# Altium PCB 191230 PCB.PcbDoc (part 2 of 2)
Units mil, origin at the board's own origin, x right, y up, seen from the top; angles counter-clockwise.
Board outline 5523.73 x 4025.78 mil, 4 copper layers (Top Layer, Int1 (GND), Int2 (PWR), Bottom Layer), stack 53.912 mil thick; 197 components, 119 nets, 656 pads, 176 vias.
Unrouted connection lines stored in the file: 188.
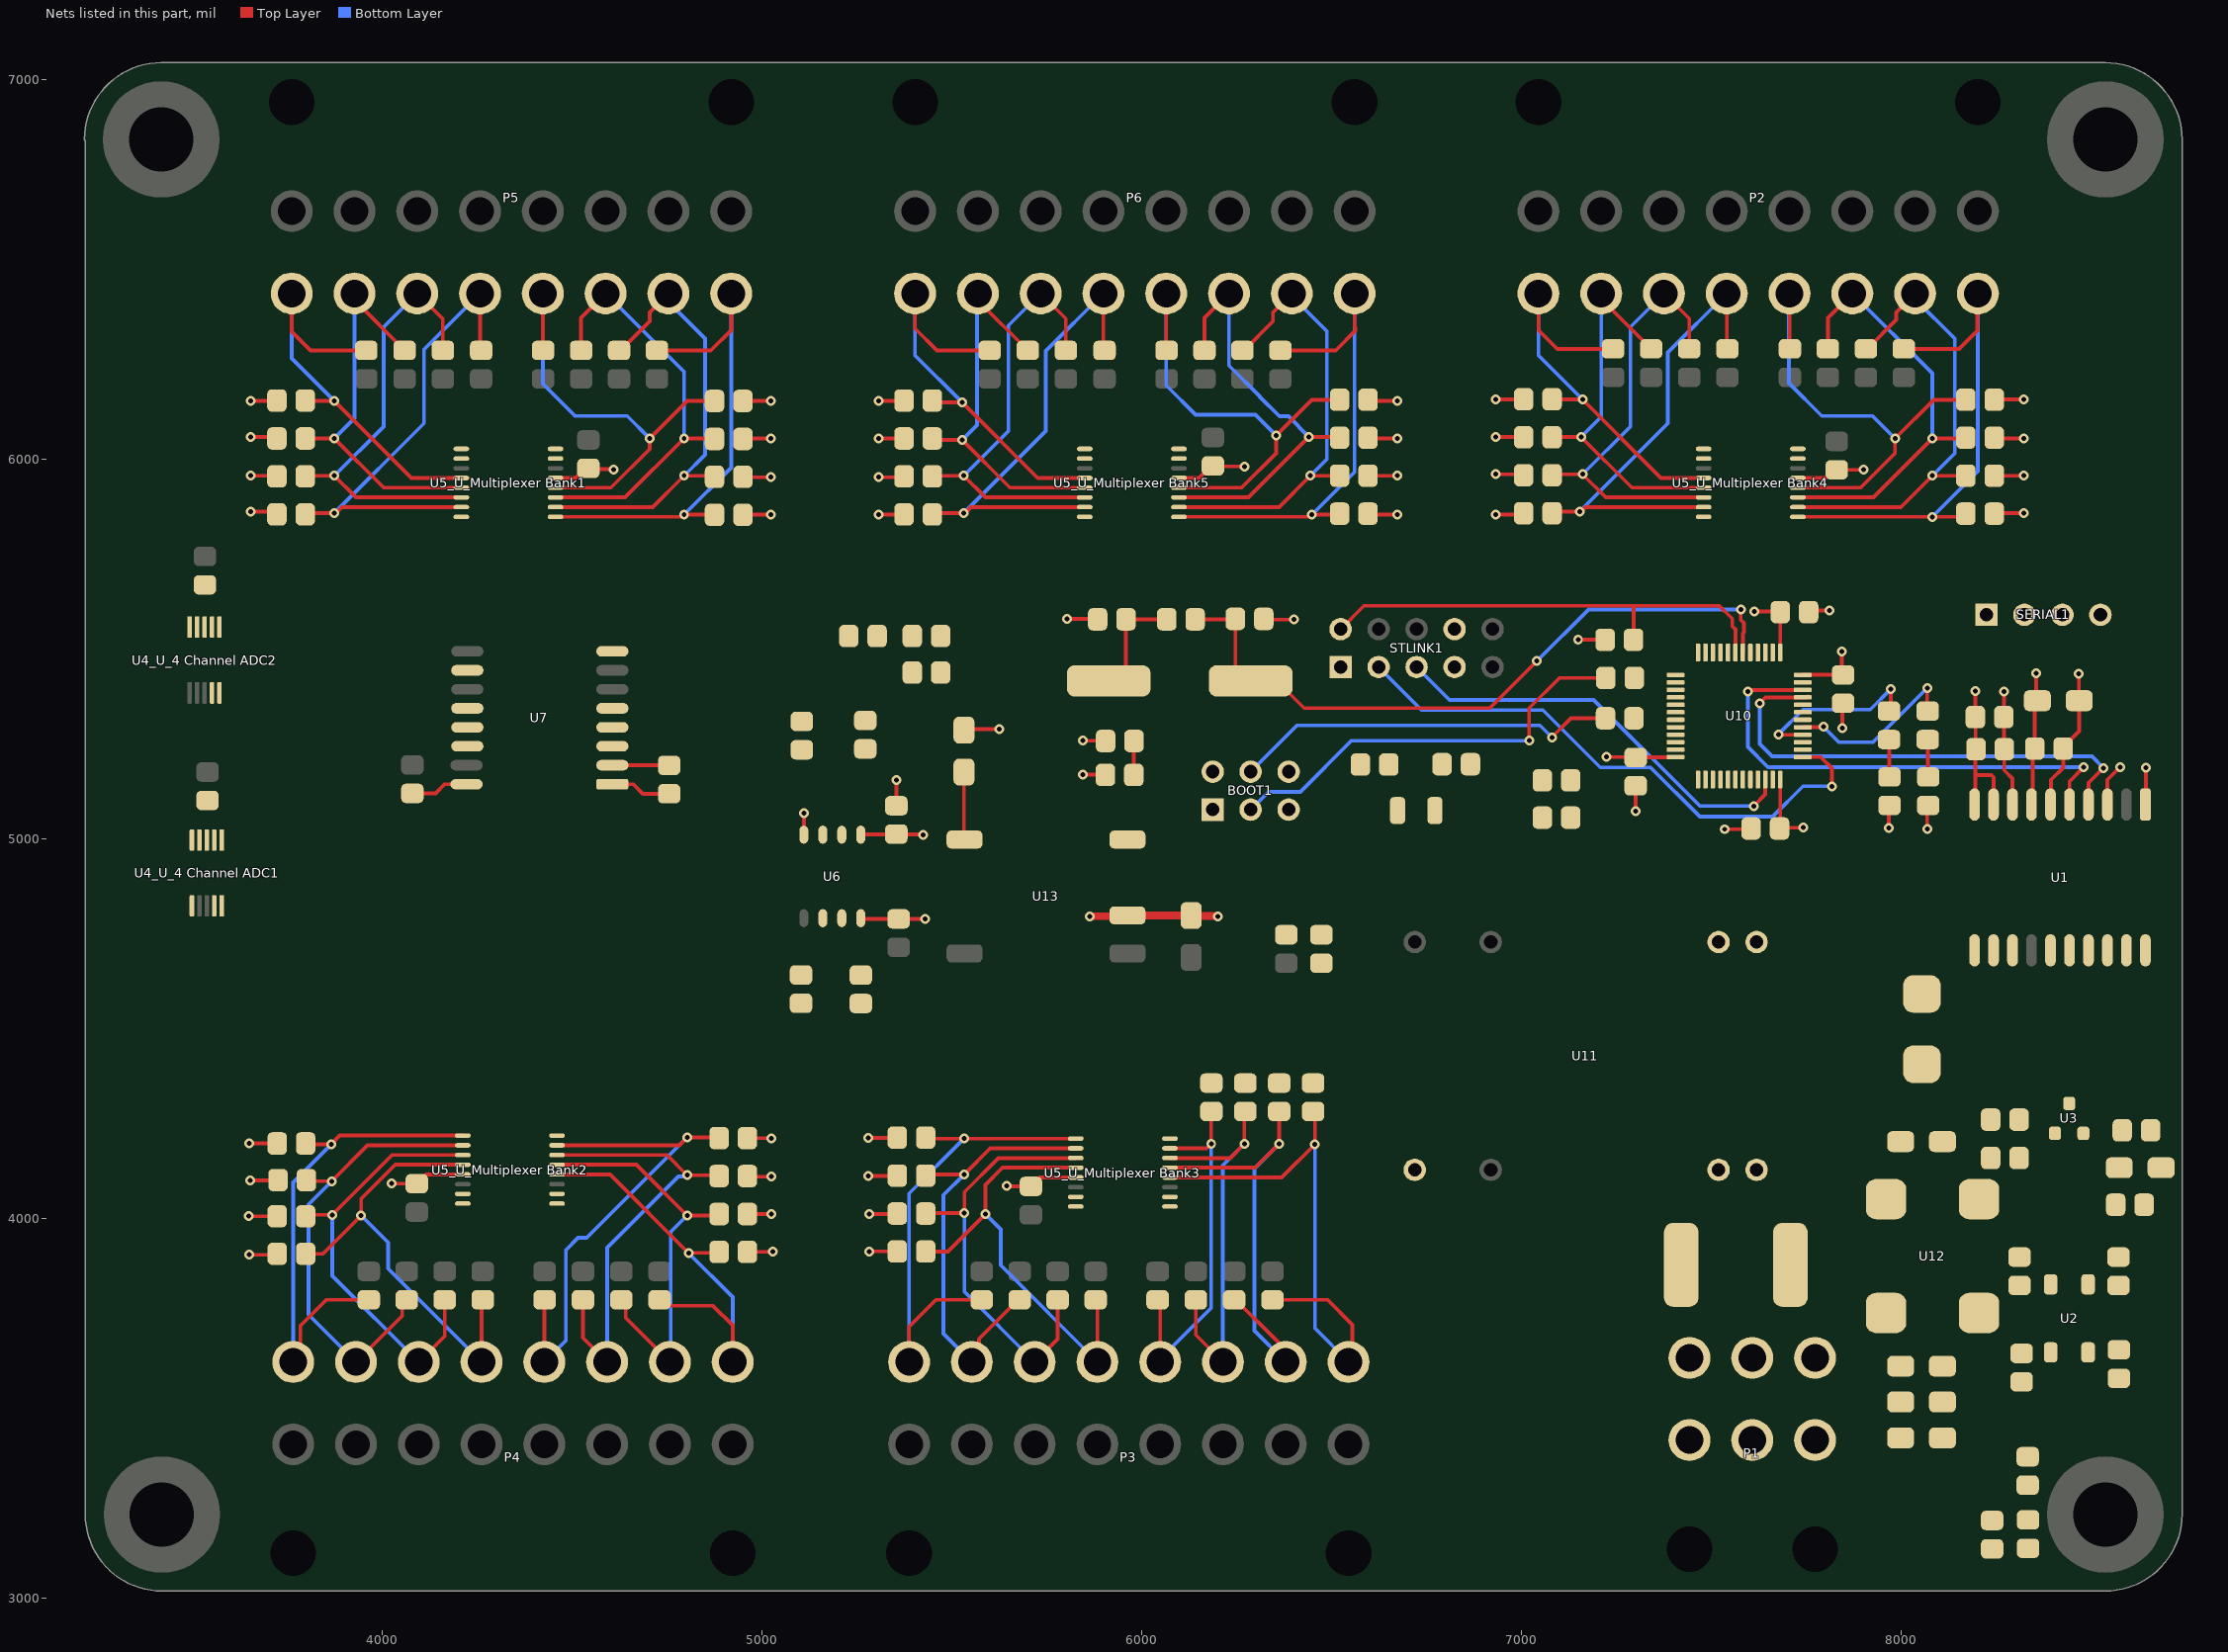
[diagram p4: the nets of this part, all layers, seen from the top]

## Via types
v1: diameter 26, hole 13, Top Layer to Bottom Layer, 176 vias

## Nets (pads, with @x,y where several pads share a name; then routed paths per layer and width w, separated by ;. In a path a pad name is that pad's centre, name@x,y a point inside that pad or via, vN(x,y) a via of type N, cw(c..) or ccw(c..) an arc to the next point about the centre after c; other vN are vias at no path point) (continued)
"0V (ISO)": "0V ISO TP.1" BOOT1.5 BOOT1.6 C1.1 C2.1 C7.1 C8.1 C20.1 C22.1 C23.1 C24.1 C25.1 C26.1 C27.1 C28.1 C29.1 C30.1 C34.1 C41.1 R26.1 R28.1 R31.1 R32.1 SERIAL1.4 STLINK1.1 U1.1 U1.3 U1.7 U1.9 U1.10 U6.4 U7.2 U7.8 U10.8 U10.23 U10.35 U10.47 U13.4 | length 1964
  Top Layer w10: U7.2@4606.39,5194.09 4606.49,5194 4755.81,5194 C41.1@4755.91,5193.9 ; U6.4@5110.65,5011.23 v1(5110.65,5067.34) ; C20.1@5354.33,5087.59 v1(5354.33,5154.53) ; C34.1@5532.48,5286.42 5535.43,5289.37 v1(5625.98,5289.37) ; v1(5804.13,5579.72) 5881.67,5579.72 5883.64,5577.76 C29.1@5884.37,5578.49 ; v1(5845.47,5258.86) 5904.53,5258.86 R26.1@5905.32,5258.07 ; C30.1@6321.85,5579.72 6323.82,5577.76 v1(6401.57,5577.76) ; v1(7301.18,5072.83) C26.1@7301.18,5139.77 ; v1(7535.43,5025.59) 7603.35,5025.59 C27.1@7605.32,5027.56 ; C25.1@7756.89,5597.44 7760.82,5601.38 v1(7812.01,5601.38) ; v1(7845.47,5292.32) 7845.47,5355.32 C28.1@7847.44,5357.29 ; v1(7967.52,5028.54) 7967.52,5086.36 R31.1@7969.54,5088.37 ; v1(8068.9,5026.57) 8068.9,5085.64 R32.1@8071.63,5088.37 ; U1.10@8193.72,5090.46 8195.54,5092.28 8195.54,5163.32 ; v1(8195.87,5389.76) C8.1@8195.87,5320.87 8196.61,5320.12 8196.61,5236.92 C7.1@8197.36,5236.17 8195.54,5234.35 8195.54,5163.32 ; U1.9@8243.72,5090.46 8243.72,5162.45 8237.86,5168.31 8200.53,5168.31 8195.54,5163.32 ; U1.7@8343.72,5090.46 8347.16,5093.9 8347.16,5232.99 C2.1@8352.36,5238.19 8352.36,5357.28 C1.1@8359.25,5364.17 8356.3,5367.13 v1(8356.3,5437.01) ; U1.3@8543.72,5090.46 8543.72,5155.93 v1(8576.77,5188.98) ; U1.1@8643.72,5090.46 8644.69,5091.43 8644.69,5187.02 v1(8645.67,5187.99)
"3.3V (ISO)": "3.3V ISO TP.1" BOOT1.1 BOOT1.2 C20.2 C25.2 C26.2 C27.2 C28.2 C34.2 C41.2 D2.A D9.A R16.2 R17.2 R23.2 R27.2 SERIAL1.1 STLINK1.7 STLINK1.8 U6.1 U7.1 U10.1 U10.9 U10.24 U10.36 U10.48 U13.5 | length 1353.7
  Top Layer w10: U7.1@4606.39,5144.09 4662.01,5144.09 4687,5119.1 C41.2@4755.91,5119.1 ; U6.1@5260.65,5011.23 5261.43,5012.01 5353.55,5012.01 C20.2@5354.33,5012.79 5355.31,5011.81 5424.21,5011.81 v1(5425.2,5010.83) ; C34.2@5532.48,5176.18 5532.48,4999.8 U13.5@5533.86,4998.43 ; v1(5845.47,5169.29) 5904.01,5169.29 D9.A@5904.84,5168.46 ; v1(7149.56,5524.65) R23.2@7220.95,5524.65 ; v1(7224.41,5216.54) 7225.39,5215.55 7301.18,5215.55 7301.67,5215.06 7406,5215.06 U10.24@7406.5,5215.55 ; v1(7614.17,5599.41) 7680.12,5599.41 C25.2@7682.09,5597.44 U10.1@7682.09,5491.14 ; C27.2@7680.12,5027.56 C27.2@7681.18,5028.62 ; C27.2@7681.18,5027.56 C27.2@7681.18,5028.62 ; U10.36@7682.09,5156.5 C27.2@7682.09,5029.53 ; C27.2@7682.17,5029.61 C27.2@7682.09,5029.53 ; U10.48@7741.14,5432.09 C28.2@7847.44,5432.09 7844.49,5435.04 v1(7844.49,5493.11) ; v1(7743.11,5029.53) C27.2@7682.09,5029.53 ; C27.2@7681.18,5028.62 C27.2@7682.09,5029.53
5V: "5V TP.1" "C14_U_4 Channel ADC1.2" "C14_U_4 Channel ADC2.2" "C19_U_Multiplexer Bank1.2" "C19_U_Multiplexer Bank2.2" "C19_U_Multiplexer Bank3.2" "C19_U_Multiplexer Bank4.2" "C19_U_Multiplexer Bank5.2" "R6_U_Multiplexer Bank1.2" "R6_U_Multiplexer Bank2.2" "R6_U_Multiplexer Bank3.2" "R6_U_Multiplexer Bank4.2" "R6_U_Multiplexer Bank5.2" "R7_U_Multiplexer Bank1.2" "R7_U_Multiplexer Bank2.2" "R7_U_Multiplexer Bank3.2" "R7_U_Multiplexer Bank4.2" "R7_U_Multiplexer Bank5.2" "R8_U_Multiplexer Bank1.2" "R8_U_Multiplexer Bank2.2" "R8_U_Multiplexer Bank3.2" "R8_U_Multiplexer Bank4.2" "R8_U_Multiplexer Bank5.2" "R9_U_Multiplexer Bank1.2" "R9_U_Multiplexer Bank2.2" "R9_U_Multiplexer Bank3.2" "R9_U_Multiplexer Bank4.2" "R9_U_Multiplexer Bank5.2" "R10_U_Multiplexer Bank1.2" "R10_U_Multiplexer Bank2.2" "R10_U_Multiplexer Bank3.2" "R10_U_Multiplexer Bank4.2" "R10_U_Multiplexer Bank5.2" "R11_U_Multiplexer Bank1.2" "R11_U_Multiplexer Bank2.2" "R11_U_Multiplexer Bank3.2" "R11_U_Multiplexer Bank4.2" "R11_U_Multiplexer Bank5.2" "R12_U_Multiplexer Bank1.2" "R12_U_Multiplexer Bank2.2" "R12_U_Multiplexer Bank3.2" "R12_U_Multiplexer Bank4.2" "R12_U_Multiplexer Bank5.2" "R13_U_Multiplexer Bank1.2" "R13_U_Multiplexer Bank2.2" "R13_U_Multiplexer Bank3.2" "R13_U_Multiplexer Bank4.2" "R13_U_Multiplexer Bank5.2" "U4_U_4 Channel ADC1.1" "U4_U_4 Channel ADC1.8" "U4_U_4 Channel ADC2.8" "U5_U_Multiplexer Bank1.2" "U5_U_Multiplexer Bank1.13" "U5_U_Multiplexer Bank2.2" "U5_U_Multiplexer Bank2.13" "U5_U_Multiplexer Bank3.2" "U5_U_Multiplexer Bank3.13" "U5_U_Multiplexer Bank4.2" "U5_U_Multiplexer Bank4.13" "U5_U_Multiplexer Bank5.2" "U5_U_Multiplexer Bank5.13" C21.2 C33.2 C42.2 D1.A R14.2 R15.2 U6.8 U7.10 U7.16 U11.14 U13.2 | length 4223.5
  Top Layer w10: v1(3648.68,4006.1) 3723.75,4006.1 3723.9,4005.95 ; v1(3649.61,3904.53) 3713.46,3904.53 3719.36,3910.43 3723.3,3906.5 3723.9,3907.09 ; v1(3650.59,4198.07) 3723.71,4198.07 3723.9,4197.88 ; v1(3652.56,4100.04) 3724.48,4100.04 3725.87,4101.43 ; v1(3653.54,5862.2) 3715.68,5862.2 3722.92,5854.97 ; v1(3653.54,5956.69) 3721.19,5956.69 3722.92,5954.97 ; v1(3653.54,6059.06) 3718.83,6059.06 3722.92,6054.97 ; v1(3653.54,6153.54) 3721.49,6153.54 3722.92,6154.97 ; v1(4024.65,4092.05) 4091.58,4092.05 4115.68,4116.14 4212.6,4116.14 ; C42.2@4079.72,5120.08 4140.75,5120.08 4164.76,5144.09 U7.16@4222.39,5144.09 ; 4456.69,5950.79 4509.56,5950.79 4535.15,5976.38 4543.31,5976.38 4545.28,5974.41 4608.27,5974.41 v1(4610.24,5972.44) ; 4950.31,5853.73 4954.85,5858.27 4958.78,5854.33 v1(5023.62,5854.33) ; 4950.31,5953.73 4951.29,5952.76 v1(5023.62,5952.76) ; 4950.31,6053.73 4951.7,6055.12 v1(5023.62,6055.12) ; 4950.31,6153.73 4950.5,6153.54 v1(5023.62,6153.54) ; 4962.12,3911.96 4962.57,3912.4 v1(5028.54,3912.4) ; 4962.12,4011.96 4962.27,4011.81 v1(5025.59,4011.81) ; 4962.12,4111.96 4963.85,4110.24 v1(5025.59,4110.24) ; 4962.12,4211.96 4962.47,4211.61 v1(5024.61,4211.61) ; U6.8@5260.65,4791.23 5260.65,4791.04 5262.33,4789.37 C21.2@5360.24,4789.37 v1(5430.12,4789.37) ; v1(5280.51,4112.2) 5345.95,4112.2 5351.86,4118.11 5356.77,4113.2 ; v1(5280.51,4212.6) 5356.18,4212.6 5356.77,4213.2 ; v1(5283.46,3913.39) 5356.58,3913.39 5356.77,3913.2 ; v1(5283.46,4011.81) 5355.39,4011.81 5356.77,4013.2 ; v1(5307.09,5854.33) 5373.85,5854.33 5374.49,5854.97 ; v1(5307.09,5952.76) 5372.28,5952.76 5374.49,5954.97 ; v1(5307.09,6055.12) 5374.34,6055.12 5374.49,6054.97 ; v1(5307.09,6153.54) 5373.06,6153.54 5374.49,6154.97 ; v1(5644.69,4085.63) 5645.18,4085.14 5708.17,4085.14 5708.66,4084.65 5732.28,4108.27 5826.77,4108.27 ; 6098.43,5950.79 6151.08,5950.79 6183.05,5982.76 6187.94,5982.76 6189.17,5981.54 6270.43,5981.54 v1(6271.65,5980.31) ; 6596.38,5856.84 6598.89,5854.33 v1(6673.23,5854.33) ; 6596.38,5956.84 6596.53,5956.69 v1(6673.23,5956.69) ; 6596.38,6056.84 6598.1,6055.12 v1(6673.23,6055.12) ; 6596.38,6156.84 6599.68,6153.54 v1(6673.23,6153.54) ; v1(6933.07,5854.33) 6994.38,5854.33 7002.25,5862.2 7006.38,5858.08 ; v1(6933.07,5960.63) 7003.83,5960.63 7006.38,5958.08 ; v1(6933.07,6059.06) 7005.4,6059.06 7006.38,6058.08 ; v1(6933.07,6157.48) 7005.78,6157.48 7006.38,6158.08 ; 7728.35,5950.79 7800.9,5950.79 7822.55,5972.44 7830.71,5972.44 v1(7901.57,5972.44) ; 8245.59,5856.84 8247.01,5858.27 v1(8322.83,5858.27) ; 8245.59,5956.84 8245.74,5956.69 v1(8322.83,5956.69) ; 8245.59,6056.84 8247.31,6055.12 v1(8322.83,6055.12) ; 8245.59,6156.84 8246.23,6157.48 v1(8322.83,6157.48)
  Top Layer w20: v1(5864.17,4796.26) 5864.34,4796.42 5960.99,4796.42 U13.2@5962.99,4798.43 5963.09,4798.33 6130.81,4798.33 C33.2@6130.91,4798.23 6131.89,4797.24 6199.8,4797.24 v1(6200.79,4796.26)
"5V (ISO)": C1.2 C2.2 C7.2 C8.2 U1.6 U1.8 | length 683.7
  Top Layer w10: v1(8271.65,5387.8) 8271.16,5387.3 8271.16,5321.36 C8.2@8270.67,5320.87 8271.41,5320.12 8271.41,5236.92 C7.2@8272.16,5236.17 8272.16,5180.59 8293.72,5159.04 U1.8@8293.72,5090.46 ; U1.6@8393.72,5090.46 8395.01,5091.74 8395.01,5155.83 8427.16,5187.99 C2.2@8427.16,5238.19 8427.16,5242.13 8469.49,5284.45 C1.2@8469.49,5364.17 8468.5,5365.16 v1(8468.5,5435.04)
A1: "C15_U_Multiplexer Bank4.2" "R6_U_Multiplexer Bank4.1" "U5_U_Multiplexer Bank4.4" P2.2 | length 1126.1
  Top Layer w10: P2.2@7045.28,6437.01 7045.28,6340.55 7094.96,6290.86 7241.73,6290.86 ; 7081.18,6158.08 7081.78,6157.48 v1(7161.42,6157.48) 7368.11,5950.79 7480.31,5950.79
  Bottom Layer w10: P2.2@7045.28,6437.01 7045.28,6273.62 v1(7161.42,6157.48)
A2: "C16_U_Multiplexer Bank4.2" "R7_U_Multiplexer Bank4.1" "U5_U_Multiplexer Bank4.5" P2.4 | length 1055.5
  Top Layer w10: 7081.18,6058.08 7082.16,6059.06 v1(7157.48,6059.06) 7291.34,5925.2 7480.31,5925.2 ; P2.4@7210.63,6437.01 7210.63,6422.59 7342.08,6291.14 7342.08,6290.86
  Bottom Layer w10: v1(7157.48,6059.06) 7210.63,6112.2 P2.4@7210.63,6437.01
A3: "C17_U_Multiplexer Bank4.2" "R8_U_Multiplexer Bank4.1" "U5_U_Multiplexer Bank4.6" P2.6 | length 1164.4
  Top Layer w10: 7081.18,5958.08 7083.73,5960.63 v1(7161.42,5960.63) 7222.44,5899.61 7480.31,5899.61 ; P2.6@7375.98,6437.01 7442.42,6370.57 7442.42,6290.86
  Bottom Layer w10: v1(7161.42,5960.63) 7287.4,6086.61 7287.4,6348.43 P2.6@7375.98,6437.01
A4: "C18_U_Multiplexer Bank4.2" "R9_U_Multiplexer Bank4.1" "U5_U_Multiplexer Bank4.7" P2.8 | length 1287.9
  Top Layer w10: 7081.18,5858.08 7085.31,5862.2 v1(7153.54,5862.2) 7157.87,5862.2 7169.68,5874.02 7480.31,5874.02 ; P2.8@7541.34,6437.01 7541.34,6292.29 7542.76,6290.86
  Bottom Layer w10: v1(7153.54,5862.2) 7385.83,6094.49 7385.83,6281.5 P2.8@7541.34,6437.01
A5: "C35_U_Multiplexer Bank4.2" "R10_U_Multiplexer Bank4.1" "U5_U_Multiplexer Bank4.12" P2.10 | length 1284.8
  Top Layer w10: P2.10@7706.69,6437.01 7706.69,6291.65 7707.48,6290.86 ; 7728.35,5925.2 7893.93,5925.2 7984.25,6015.52 v1(7984.25,6055.12) 8085.98,6156.84 8170.79,6156.84
  Bottom Layer w10: P2.10@7706.69,6437.01 7704.72,6435.04 7704.72,6201.02 7791.57,6114.17 7925.2,6114.17 v1(7984.25,6055.12)
A6: "C36_U_Multiplexer Bank4.2" "R11_U_Multiplexer Bank4.1" "U5_U_Multiplexer Bank4.11" P2.12 | length 1149.6
  Top Layer w10: 7728.35,5899.61 7927.17,5899.61 v1(8082.68,6055.12) 8169.06,6055.12 8170.79,6056.84 ; 7807.48,6290.86 7807.48,6372.44 P2.12@7872.05,6437.01
  Bottom Layer w10: P2.12@7872.05,6437.01 8082.68,6226.38 v1(8082.68,6055.12)
A7: "C37_U_Multiplexer Bank4.2" "R12_U_Multiplexer Bank4.1" "U5_U_Multiplexer Bank4.10" P2.14 | length 1227
  Top Layer w10: 7728.35,5874.02 8000,5874.02 v1(8082.68,5956.69) 8170.64,5956.69 8170.79,5956.84 ; 7907.48,6290.86 7911.42,6290.86 7987.82,6367.26 7987.82,6387.43 P2.14@8037.4,6437.01
  Bottom Layer w10: P2.14@8037.4,6437.01 8037.4,6422.27 8141.73,6317.94 8141.73,6015.75 v1(8082.68,5956.69)
A8: "C38_U_Multiplexer Bank4.2" "R13_U_Multiplexer Bank4.1" "U5_U_Multiplexer Bank4.9" P2.16 | length 1396.6
  Top Layer w10: 7728.35,5848.43 v1(8082.68,5848.43) 8162.37,5848.43 8170.79,5856.84 ; 8007.48,6290.86 8153.07,6290.86 8200.79,6338.58 8200.79,6435.04 P2.16@8202.76,6437.01
  Bottom Layer w10: v1(8082.68,5848.43) 8202.76,5968.5 P2.16@8202.76,6437.01
B1: "C15_U_Multiplexer Bank3.2" "R6_U_Multiplexer Bank3.1" "U5_U_Multiplexer Bank3.4" P3.2 | length 1456.7
  Top Layer w10: 6074.8,4108.27 6369.09,4108.27 v1(6456.69,4195.87) 6456.69,4277.14 6451.82,4282.01 ; 6344.88,3785.91 6489.68,3785.91 6555.12,3720.47 6555.12,3631.89 P3.2@6545.28,3622.05
  Bottom Layer w10: v1(6456.69,4195.87) 6456.69,3710.63 P3.2@6545.28,3622.05
B2: "C16_U_Multiplexer Bank3.2" "R7_U_Multiplexer Bank3.1" "U5_U_Multiplexer Bank3.5" P3.4 | length 1257.2
  Top Layer w10: 6074.8,4133.86 6299.21,4133.86 v1(6362.2,4196.85) 6362.2,4281.63 6362.58,4282.01 ; 6244.01,3785.91 6247.95,3785.91 6360.74,3673.12 6360.74,3641.23 P3.4@6379.92,3622.05
  Bottom Layer w10: v1(6362.2,4196.85) 6297.24,4131.89 6297.24,3704.72 P3.4@6379.92,3622.05
B3: "C17_U_Multiplexer Bank3.2" "R8_U_Multiplexer Bank3.1" "U5_U_Multiplexer Bank3.6" P3.6 | length 1089.5
  Top Layer w10: 6074.8,4159.45 6233.27,4159.45 v1(6270.67,4196.85) 6270.67,4279.34 6273.34,4282.01 ; 6143.14,3785.91 6143.14,3693.47 P3.6@6214.57,3622.05
  Bottom Layer w10: P3.6@6214.57,3622.05 6214.13,3622.49 6214.13,4140.31 v1(6270.67,4196.85)
B4: "C18_U_Multiplexer Bank3.2" "R9_U_Multiplexer Bank3.1" "U5_U_Multiplexer Bank3.7" P3.8 | length 998.7
  Top Layer w10: 6042.28,3785.91 6049.21,3778.97 P3.8@6049.21,3622.05 ; 6074.8,4185.04 6171.56,4185.04 v1(6183.37,4196.85) 6183.37,4274.78 6180.12,4278.03 6184.1,4282.01
  Bottom Layer w10: P3.8@6049.21,3622.05 6049.21,3630.66 6183.37,3764.81 v1(6183.37,4196.85)
B5: "C35_U_Multiplexer Bank3.2" "R10_U_Multiplexer Bank3.1" "U5_U_Multiplexer Bank3.12" P3.10 | length 1209.5
  Top Layer w10: 5431.57,3913.2 5489.97,3913.2 v1(5588.58,4011.81) 5588.58,4088.58 5633.86,4133.86 5826.77,4133.86 ; 5879.13,3785.91 5883.86,3781.18 P3.10@5883.86,3622.05
  Bottom Layer w10: v1(5588.58,4011.81) 5628.94,3971.46 5628.94,3876.97 P3.10@5883.86,3622.05
B6: "C36_U_Multiplexer Bank3.2" "R11_U_Multiplexer Bank3.1" "U5_U_Multiplexer Bank3.11" P3.12 | length 1146.4
  Top Layer w10: 5431.57,4013.2 5433.14,4014.76 v1(5533.46,4014.76) 5533.46,4069.88 5623.03,4159.45 5826.77,4159.45 ; P3.12@5718.5,3622.05 5779.13,3682.68 5779.13,3785.91
  Bottom Layer w10: v1(5533.46,4014.76) 5533.46,3807.09 P3.12@5718.5,3622.05
B7: "C37_U_Multiplexer Bank3.2" "R12_U_Multiplexer Bank3.1" "U5_U_Multiplexer Bank3.10" P3.14 | length 1190.8
  Top Layer w10: 5431.57,4113.2 5434.52,4116.14 v1(5532.48,4116.14) 5601.38,4185.04 5826.77,4185.04 ; P3.14@5553.15,3622.05 5572.33,3641.23 5572.33,3683.04 5675.19,3785.91 5679.13,3785.91
  Bottom Layer w10: v1(5532.48,4116.14) 5478.35,4062.01 5478.35,3696.85 P3.14@5553.15,3622.05
B8: "C38_U_Multiplexer Bank3.2" "R13_U_Multiplexer Bank3.1" "U5_U_Multiplexer Bank3.9" P3.16 | length 1358.2
  Top Layer w10: P3.16@5387.8,3622.05 5387.8,3714.57 5459.14,3785.91 5579.13,3785.91 ; 5431.57,4213.2 5434.14,4210.63 v1(5532.48,4210.63) 5826.77,4210.63
  Bottom Layer w10: P3.16@5387.8,3622.05 5387.8,4065.94 v1(5532.48,4210.63)
BOOT0: BOOT1.3 R34.1 | length 1129.4
  Top Layer w10: v1(7020.67,5258.86) 7020.67,5344.49 7100.35,5424.16 R34.1@7222.89,5424.16
  Bottom Layer w10: BOOT1.3@6287.4,5077.17 6334.25,5124.02 6418.31,5124.02 6553.15,5258.86 v1(7020.67,5258.86)
BOOT1: BOOT1.4 R33.2 | length 1018.9
  Top Layer w10: v1(7080.71,5267.72) 7130.95,5317.96 R33.2@7221.93,5317.96
  Bottom Layer w10: BOOT1.4@6287.4,5177.17 6409.45,5299.21 7049.21,5299.21 v1(7080.71,5267.72)
C1: "C15_U_Multiplexer Bank2.2" "R6_U_Multiplexer Bank2.1" "U5_U_Multiplexer Bank2.4" P4.2 | length 1165.8
  Top Layer w10: 4460.63,4116.14 4600.39,4116.14 v1(4807.09,3909.45) 4884.81,3909.45 4887.32,3911.96 ; 4730.71,3785.91 4746.49,3770.13 4871.6,3770.13 4923.23,3718.5 P4.2@4923.23,3622.05
  Bottom Layer w10: v1(4807.09,3909.45) 4923.23,3793.31 P4.2@4923.23,3622.05
C2: "C16_U_Multiplexer Bank2.2" "R7_U_Multiplexer Bank2.1" "U5_U_Multiplexer Bank2.5" P4.4 | length 1105.3
  Top Layer w10: 4460.63,4141.73 4669.29,4141.73 v1(4803.15,4007.87) 4883.24,4007.87 4887.32,4011.96 ; 4629.84,3785.91 4641.57,3774.17 4641.57,3738.35 P4.4@4757.87,3622.05
  Bottom Layer w10: P4.4@4757.87,3622.05 4760.28,3624.46 4760.28,3965.01 v1(4803.15,4007.87)
C3: "C17_U_Multiplexer Bank2.2" "R8_U_Multiplexer Bank2.1" "U5_U_Multiplexer Bank2.6" P4.6 | length 1230.8
  Top Layer w10: 4460.63,4167.32 4750,4167.32 v1(4803.15,4114.17) 4885.11,4114.17 4887.32,4111.96 ; 4528.97,3785.91 4528.97,3685.6 P4.6@4592.52,3622.05
  Bottom Layer w10: P4.6@4592.52,3622.05 4592.52,3923.46 4780.18,4111.11 4800.09,4111.11 v1(4803.15,4114.17)
C4: "C18_U_Multiplexer Bank2.2" "R9_U_Multiplexer Bank2.1" "U5_U_Multiplexer Bank2.7" P4.8 | length 1360.8
  Top Layer w10: P4.8@4427.17,3622.05 4427.17,3784.97 4428.1,3785.91 ; 4460.63,4192.91 4782.48,4192.91 v1(4803.15,4213.58) 4885.7,4213.58 4887.32,4211.96
  Bottom Layer w10: P4.8@4427.17,3622.05 4484.25,3679.13 4484.25,3917.55 4515.96,3949.26 4538.83,3949.26 v1(4803.15,4213.58)
C5: "C35_U_Multiplexer Bank2.2" "R10_U_Multiplexer Bank2.1" "U5_U_Multiplexer Bank2.12" P4.10 | length 1219.1
  Top Layer w10: 3798.7,3907.09 3844.1,3907.09 v1(3944.88,4007.87) 3944.88,4051.87 4034.74,4141.73 4212.6,4141.73 ; P4.10@4261.81,3622.05 4261.81,3782.76 4264.96,3785.91
  Bottom Layer w10: v1(3944.88,4007.87) 4015.75,3937.01 4015.75,3868.11 P4.10@4261.81,3622.05
C6: "C36_U_Multiplexer Bank2.2" "R11_U_Multiplexer Bank2.1" "U5_U_Multiplexer Bank2.11" P4.12 | length 1154.9
  Top Layer w10: 3798.7,4005.95 3802.59,4009.84 v1(3869.09,4009.84) 4026.57,4167.32 4212.6,4167.32 ; P4.12@4096.46,3622.05 4164.96,3690.55 4164.96,3785.91
  Bottom Layer w10: v1(3869.09,4009.84) 3869.09,3849.41 P4.12@4096.46,3622.05
C7: "C37_U_Multiplexer Bank2.2" "R12_U_Multiplexer Bank2.1" "U5_U_Multiplexer Bank2.10" P4.14 | length 1225
  Top Layer w10: 3800.67,4101.43 3803.67,4098.43 v1(3867.13,4098.43) 3961.61,4192.91 4212.6,4192.91 ; P4.14@3931.1,3622.05 4053.23,3744.17 4053.23,3774.17 4064.96,3785.91
  Bottom Layer w10: v1(3867.13,4098.43) 3806.1,4037.4 3806.1,3747.05 P4.14@3931.1,3622.05
C8: "C38_U_Multiplexer Bank2.2" "R13_U_Multiplexer Bank2.1" "U5_U_Multiplexer Bank2.9" P4.16 | length 1351.6
  Top Layer w10: P4.16@3765.75,3622.05 3784.93,3641.23 3784.93,3718 3852.84,3785.91 3964.96,3785.91 ; 3798.7,4197.88 3800.71,4195.87 v1(3866.14,4195.87) 3888.78,4218.5 4212.6,4218.5
  Bottom Layer w10: P4.16@3765.75,3622.05 3765.75,4095.47 v1(3866.14,4195.87)
CANH: "CAN TERM R1.2" C11.2 P1.3 U2.1
CANL: "CAN TERM R2.1" C10.2 P1.4 U2.2
CANS: C3.1 C4.1 C5.1 C6.1 C9.1 C10.1 C11.1 C12.1 C13.1 P1.5 P1.6 R1.1 U1.11 U1.13 U1.16 U1.20 U3.3
D1: "C15_U_Multiplexer Bank1.2" "R6_U_Multiplexer Bank1.1" "U5_U_Multiplexer Bank1.4" P5.2 | length 1142.9
  Top Layer w10: P5.2@3761.81,6437.01 3761.81,6336.61 3811.5,6286.93 3958.27,6286.93 ; 3797.72,6154.97 3799.14,6153.54 v1(3874.02,6153.54) 4076.77,5950.79 4208.66,5950.79
  Bottom Layer w10: P5.2@3761.81,6437.01 3761.81,6265.75 v1(3874.02,6153.54)
D2: "C16_U_Multiplexer Bank1.2" "R7_U_Multiplexer Bank1.1" "U5_U_Multiplexer Bank1.5" P5.4 | length 1073.5
  Top Layer w10: 3797.72,6054.97 3797.86,6055.12 v1(3874.02,6055.12) 4003.94,5925.2 4208.66,5925.2 ; P5.4@3927.17,6437.01 3927.17,6419.18 4059.14,6287.21 4059.14,6286.93
  Bottom Layer w10: v1(3874.02,6055.12) 3927.17,6108.27 P5.4@3927.17,6437.01
D3: "C17_U_Multiplexer Bank1.2" "R8_U_Multiplexer Bank1.1" "U5_U_Multiplexer Bank1.6" P5.6 | length 1184.2
  Top Layer w10: 3797.72,5954.97 3799.44,5956.69 v1(3874.02,5956.69) 3931.1,5899.61 4208.66,5899.61 ; P5.6@4092.52,6437.01 4160.01,6369.52 4160.01,6286.93
  Bottom Layer w10: v1(3874.02,5956.69) 4003.94,6086.61 4003.94,6348.43 P5.6@4092.52,6437.01
D4: "C18_U_Multiplexer Bank1.2" "R9_U_Multiplexer Bank1.1" "U5_U_Multiplexer Bank1.7" P5.8 | length 1307.9
  Top Layer w10: 3797.72,5854.97 3801.01,5858.27 v1(3874.02,5858.27) 3878.35,5858.27 3894.09,5874.02 4208.66,5874.02 ; P5.8@4257.87,6437.01 4257.87,6289.93 4260.87,6286.93
  Bottom Layer w10: v1(3874.02,5858.27) 4110.24,6094.49 4110.24,6289.37 P5.8@4257.87,6437.01
D5: "C35_U_Multiplexer Bank1.2" "R10_U_Multiplexer Bank1.1" "U5_U_Multiplexer Bank1.12" P5.10 | length 1259.4
  Top Layer w10: P5.10@4423.23,6437.01 4423.23,6287.72 4424.02,6286.93 ; 4456.69,5925.2 4602.59,5925.2 4704.51,6027.12 4704.51,6054.9 4803.34,6153.73 4875.51,6153.73
  Bottom Layer w10: P5.10@4423.23,6437.01 4423.23,6198.82 4507.87,6114.17 4645.67,6114.17 v1(4704.72,6055.12)
D6: "C36_U_Multiplexer Bank1.2" "R11_U_Multiplexer Bank1.1" "U5_U_Multiplexer Bank1.11" P5.12 | length 1128.1
  Top Layer w10: 4456.69,5899.61 4639.76,5899.61 v1(4795.28,6055.12) 4874.13,6055.12 4875.51,6053.73 ; 4524.02,6286.93 4524.02,6372.44 P5.12@4588.58,6437.01
  Bottom Layer w10: P5.12@4588.58,6437.01 4795.28,6230.31 v1(4795.28,6055.12)
D7: "C37_U_Multiplexer Bank1.2" "R12_U_Multiplexer Bank1.1" "U5_U_Multiplexer Bank1.10" P5.14 | length 1203.6
  Top Layer w10: 4456.69,5874.02 4712.6,5874.02 v1(4795.28,5956.69) 4872.55,5956.69 4875.51,5953.73 ; 4624.02,6286.93 4627.96,6286.93 4704.36,6363.33 4704.36,6387.43 P5.14@4753.94,6437.01
  Bottom Layer w10: P5.14@4753.94,6437.01 4753.94,6414.4 4850.39,6317.94 4850.39,6011.81 v1(4795.28,5956.69)
D8: "C38_U_Multiplexer Bank1.2" "R13_U_Multiplexer Bank1.1" "U5_U_Multiplexer Bank1.9" P5.16 | length 1369.5
  Top Layer w10: 4456.69,5848.43 4785.04,5848.43 4790.95,5854.33 v1(4795.28,5854.33) 4874.92,5854.33 4875.51,5853.73 ; 4724.02,6286.93 4865.67,6286.93 4919.29,6340.55 P5.16@4919.29,6437.01
  Bottom Layer w10: v1(4795.28,5854.33) 4919.29,5978.35 P5.16@4919.29,6437.01
E1: "C15_U_Multiplexer Bank5.2" "R6_U_Multiplexer Bank5.1" "U5_U_Multiplexer Bank5.4" P6.2 | length 1137.3
  Top Layer w10: P6.2@5403.54,6437.01 5403.54,6344.49 5461.1,6286.93 5600,6286.93 ; 5449.29,6154.97 5454.65,6149.61 v1(5527.56,6149.61) 5726.38,5950.79 5850.39,5950.79
  Bottom Layer w10: P6.2@5403.54,6437.01 5403.54,6273.62 v1(5527.56,6149.61)
E2: "C16_U_Multiplexer Bank5.2" "R7_U_Multiplexer Bank5.1" "U5_U_Multiplexer Bank5.5" P6.4 | length 1062.3
  Top Layer w10: 5449.29,6054.97 5453.08,6051.18 v1(5527.56,6051.18) 5653.54,5925.2 5850.39,5925.2 ; P6.4@5568.9,6437.01 5568.9,6418.65 5700.34,6287.21 5700.34,6286.93
  Bottom Layer w10: v1(5527.56,6051.18) 5566.49,6090.11 5566.49,6434.6 P6.4@5568.9,6437.01
E3: "C17_U_Multiplexer Bank5.2" "R8_U_Multiplexer Bank5.1" "U5_U_Multiplexer Bank5.6" P6.6 | length 1167.4
  Top Layer w10: 5449.29,5954.97 5451.01,5956.69 v1(5531.5,5956.69) 5588.58,5899.61 5850.39,5899.61 ; P6.6@5734.25,6437.01 5800.69,6370.57 5800.69,6286.93
  Bottom Layer w10: v1(5531.5,5956.69) 5649.61,6074.8 5649.61,6352.36 P6.6@5734.25,6437.01
E4: "C18_U_Multiplexer Bank5.2" "R9_U_Multiplexer Bank5.1" "U5_U_Multiplexer Bank5.7" P6.8 | length 1290.9
  Top Layer w10: 5449.29,5854.97 5452.59,5858.27 v1(5531.5,5858.27) 5535.83,5858.27 5551.57,5874.02 5850.39,5874.02 ; P6.8@5899.61,6437.01 5899.61,6288.35 5901.03,6286.93
  Bottom Layer w10: v1(5531.5,5858.27) 5748.03,6074.8 5748.03,6285.43 P6.8@5899.61,6437.01
E5: "C35_U_Multiplexer Bank5.2" "R10_U_Multiplexer Bank5.1" "U5_U_Multiplexer Bank5.12" P6.10 | length 1283.3
  Top Layer w10: P6.10@6064.96,6437.01 6064.96,6287.72 6065.75,6286.93 ; 6098.43,5925.2 6263.78,5925.2 6354.33,6015.75 v1(6354.33,6062.99) 6448.18,6156.84 6521.58,6156.84
  Bottom Layer w10: P6.10@6064.96,6437.01 6064.96,6194.88 6142.17,6117.67 6299.65,6117.67 v1(6354.33,6062.99)
E6: "C36_U_Multiplexer Bank5.2" "R11_U_Multiplexer Bank5.1" "U5_U_Multiplexer Bank5.11" P6.12 | length 1146.1
  Top Layer w10: 6098.43,5899.61 6281.5,5899.61 v1(6440.94,6059.06) 6519.36,6059.06 6521.58,6056.84 ; 6165.75,6286.93 6165.75,6372.44 P6.12@6230.31,6437.01
  Bottom Layer w10: P6.12@6230.31,6437.01 6230.31,6247.02 6311.78,6165.55 6311.78,6164.37 6362.91,6113.24 6386.76,6113.24 v1(6440.94,6059.06)
E7: "C37_U_Multiplexer Bank5.2" "R12_U_Multiplexer Bank5.1" "U5_U_Multiplexer Bank5.10" P6.14 | length 1200.2
  Top Layer w10: 6098.43,5874.02 6362.2,5874.02 v1(6444.88,5956.69) 6521.43,5956.69 6521.58,5956.84 ; 6265.75,6286.93 6269.69,6286.93 6346.09,6363.33 6346.09,6387.43 P6.14@6395.67,6437.01
  Bottom Layer w10: P6.14@6395.67,6437.01 6395.67,6430.15 6488.19,6337.63 6488.19,6000 v1(6444.88,5956.69)
E8: "C38_U_Multiplexer Bank5.2" "R13_U_Multiplexer Bank5.1" "U5_U_Multiplexer Bank5.9" P6.16 | length 1373.5
  Top Layer w10: 6098.43,5848.43 6438.58,5848.43 6444.49,5854.33 v1(6448.82,5854.33) 6519.06,5854.33 6521.58,5856.84 ; 6365.75,6286.93 6511.34,6286.93 6562.79,6338.38 6562.79,6346.66 6561.02,6348.43 P6.16@6561.02,6437.01
  Bottom Layer w10: v1(6448.82,5854.33) 6561.02,5966.54 P6.16@6561.02,6437.01
GLV+: "GLV+ TP.1" F1.1 P1.1
GLV-: "GLV- TP.1" C31.1 C32.1 C39.1 P1.2 U12.1
NetC3_2: C3.2 C4.2 C5.2 C6.2 U1.12 U1.19
NetC9_2: "CAN TERM R1.1" "CAN TERM R2.2" C9.2
NetC12_2: "CANL TP1.1" C12.2 U1.15 U2.3 U3.1
NetC13_2: "CANH TP1.1" C13.2 U1.17 U2.4 U3.2
NetC31_2: C31.2 C32.2 C39.2 D3.K U12.4
NetC40_1: C40.1 U11.2 U11.3 U12.2
NetC40_2: C40.2 U11.22 U11.23 U12.3
"NetCAN RX_K": "CAN RX.K" R32.2 | length 99.1
  Top Layer w10: 8070.39,5261.77 8070.39,5164.41 R32.2@8071.63,5163.17
"NetCAN TX_K": "CAN TX.K" R31.2 | length 99.1
  Top Layer w10: 7968.3,5261.77 7969.54,5260.54 R31.2@7969.54,5163.17
NetD1_K: D1.K R25.2
NetD2_K: D2.K R30.2
NetD3_A: D3.A F1.2
NetD9_K: D9.K R26.2 | length 89.8
  Top Layer w10: D9.K@5979.64,5168.46 5979.64,5257.6 R26.2@5980.12,5258.07
"NetMUX TP1_U_Multiplexer Bank1_1": "MUX TP1_U_Multiplexer Bank1.1" "U4_U_4 Channel ADC2.4" "U5_U_Multiplexer Bank1.8"
"NetMUX TP1_U_Multiplexer Bank2_1": "MUX TP1_U_Multiplexer Bank2.1" "U4_U_4 Channel ADC1.6" "U5_U_Multiplexer Bank2.8"
"NetMUX TP1_U_Multiplexer Bank3_1": "MUX TP1_U_Multiplexer Bank3.1" "U4_U_4 Channel ADC1.5" "U5_U_Multiplexer Bank3.8"
"NetMUX TP1_U_Multiplexer Bank4_1": "MUX TP1_U_Multiplexer Bank4.1" "U4_U_4 Channel ADC1.4" "U5_U_Multiplexer Bank4.8"
"NetMUX TP1_U_Multiplexer Bank5_1": "MUX TP1_U_Multiplexer Bank5.1" "U4_U_4 Channel ADC2.5" "U5_U_Multiplexer Bank5.8"
NetR1_2: R1.2 U1.18
NetR33_1: R33.1 U10.20
NetR34_2: R34.2 U10.44
"NetSEL1 TP_1": "SEL1 TP.1" U7.13
"NetU4_U_4 Channel ADC1_7": "U4_U_4 Channel ADC1.7"
"NetU4_U_4 Channel ADC2_6": "U4_U_4 Channel ADC2.6"
"NetU4_U_4 Channel ADC2_7": "U4_U_4 Channel ADC2.7"
NRST: R23.1 STLINK1.2 U10.7 | length 1253
  Top Layer w10: STLINK1.2@6524.41,5552.76 6585.83,5614.17 7295.28,5614.17 ; R23.1@7295.75,5524.65 7295.75,5613.7 7295.28,5614.17 ; U10.7@7563.98,5491.14 7563.98,5551.94 7555.66,5560.25 7555.66,5580.17 7521.65,5614.17 7295.28,5614.17
PA0: U10.10
PA1: U10.11
PA2: U10.12
PA3: U10.13
PA4: U10.14
PA5: U10.15
PA6: U10.16
PA7: U10.17
PA8: U10.29
PA9: SERIAL1.2 U10.30
PA10: SERIAL1.3 U10.31
PA15: U10.38
PB0: U10.18
PB1: "PCB TEMP.1" C22.2 R27.1 R28.2 U10.19
PB3: U10.39
PB4: "CAN TX.A" U10.40 | length 480.9
  Top Layer w10: v1(7678.15,5274.61) 7678.46,5274.29 U10.40@7752.5,5274.29 ; 7968.3,5336.57 7973.43,5341.7 v1(7973.43,5394.69)
  Bottom Layer w10: v1(7678.15,5274.61) 7679.13,5275.59 7679.13,5277.56 7742.13,5340.55 7919.29,5340.55 v1(7973.43,5394.69)
PB5: "CAN RX.A" U10.41 | length 465.7
  Top Layer w10: U10.41@7741.14,5294.29 7741.63,5294.78 7795.77,5294.78 v1(7796.26,5295.28) ; v1(8068.9,5397.64) 8068.9,5338.06 8070.39,5336.57
  Bottom Layer w10: v1(7796.26,5295.28) 7836.61,5254.92 7926.18,5254.92 v1(8068.9,5397.64)
PB6: "SCL TP.1" R15.1 U6.6 U10.42
PB7: "SDA TP.1" R14.1 U6.7 U10.43
PB8: "CAN RX TP.1" U1.4 U10.45 | length 1286.4
  Top Layer w10: v1(7627.95,5357.28) 7642.89,5372.22 7751.2,5372.22 U10.45@7754.79,5375.81 ; U1.4@8493.72,5090.46 8494.42,5091.15 8494.42,5147.96 v1(8533.46,5187.01)
  Bottom Layer w10: v1(7627.95,5357.28) 7627.95,5250 7660.43,5217.52 8502.95,5217.52 v1(8533.46,5187.01)
PB9: "CAN TX TP.1" U1.5 U10.46 | length 1313.9
  Top Layer w10: v1(7596.46,5388.78) 7599.9,5392.22 7740.65,5392.22 U10.46@7741.14,5392.72 ; U1.5@8443.72,5090.46 8443.72,5151.4 v1(8481.3,5188.98)
  Bottom Layer w10: v1(7596.46,5388.78) 7596.46,5242.13 7649.61,5188.98 v1(8481.3,5188.98)
PB10: U10.21
PB11: U10.22
PB12: U10.25
PB13: "SEL0 ISO TP.1" U7.3 U10.26
PB14: "SEL1 ISO TP.1" U7.4 U10.27
PB15: "SEL2 ISO TP.1" U7.5 U10.28
PC13: R30.1 U10.2
SCL: "SCL ISO TP.1" "U4_U_4 Channel ADC1.10" "U4_U_4 Channel ADC2.10" R17.1 U6.3
SDA: "SDA ISO TP.1" "U4_U_4 Channel ADC1.9" "U4_U_4 Channel ADC2.9" R16.1 U6.2
SEL0: "SEL0 TP.1" "U5_U_Multiplexer Bank1.1" "U5_U_Multiplexer Bank2.1" "U5_U_Multiplexer Bank3.1" "U5_U_Multiplexer Bank4.1" "U5_U_Multiplexer Bank5.1" U7.14
SEL1: "U5_U_Multiplexer Bank1.16" "U5_U_Multiplexer Bank2.16" "U5_U_Multiplexer Bank3.16" "U5_U_Multiplexer Bank4.16" "U5_U_Multiplexer Bank5.16"
SEL2: "SEL2 TP.1" "U5_U_Multiplexer Bank1.15" "U5_U_Multiplexer Bank2.15" "U5_U_Multiplexer Bank3.15" "U5_U_Multiplexer Bank4.15" "U5_U_Multiplexer Bank5.15" U7.12
SWCLK: STLINK1.3 U10.37 | length 1526.2
  Top Layer w10: U10.37@7741.14,5215.55 7788.39,5215.55 7817.91,5186.02 v1(7817.91,5138.78)
  Bottom Layer w10: STLINK1.3@6624.41,5452.76 6737.6,5339.57 7057.09,5339.57 7208.12,5188.54 7340.27,5188.54 7470.19,5058.61 7661.96,5058.61 7742.13,5138.78 v1(7817.91,5138.78)
SWDIO: STLINK1.5 U10.34 | length 1122
  Top Layer w10: v1(7612.2,5086.61) 7642.72,5117.13 U10.34@7642.72,5156.5
  Bottom Layer w10: STLINK1.5@6724.41,5452.76 6811.02,5366.14 7190.94,5366.14 7470.47,5086.61 v1(7612.2,5086.61)
USBDM: U10.32
USBDP: U10.33
XTALA: C29.2 R35.1 U10.5 X1.1 | length 294.6
  Top Layer w10: X1.1@5913.39,5416.34 5924.03,5416.34 5959.17,5451.48 C29.2@5959.17,5578.49 R35.1@6066.46,5578.49
XTALB: C30.2 R35.2 U10.6 X1.2 | length 1835.8
  Top Layer w10: R35.2@6141.26,5578.49 6245.81,5578.49 C30.2@6247.05,5579.72 6247.05,5451.48 6282.19,5416.34 X1.2@6287.4,5416.34 6356.3,5416.34 6428.15,5344.49 6917.32,5344.49 v1(7041.34,5468.5) ; v1(7578.13,5604.6) 7578.13,5577.39 7586.72,5568.79 7586.72,5544.18 7583.98,5541.44 U10.6@7583.98,5491.14
  Bottom Layer w10: v1(7041.34,5468.5) 7177.44,5604.6 v1(7578.13,5604.6)
XTALC: C23.2 U10.3 X2.1
XTALD: C24.2 U10.4 X2.2
pads on no net: "U4_U_4 Channel ADC1.2" "U4_U_4 Channel ADC2.2" P1. P2. P3. P4. P5. P6. STLINK1.4 STLINK1.6 STLINK1.9 STLINK1.10 U1.2 U1.14 U7.6 U7.7 U7.11 U11.9 U11.11 U13.8

## Polygon pours and split planes (outlines as drawn)
0V on Int1 (GND) (split plane): 8550.16,7024.19 8562.01,7023.02 8573.75,7021.09 8585.34,7018.38 8596.73,7014.93 8607.86,7010.74 8618.7,7005.82 8629.2,7000.21 8639.31,6993.93 8648.98,6987 8658.18,6979.45 8666.86,6971.31 8675,6962.63 8682.55,6953.43 8689.48,6943.75 8695.77,6933.65 8701.38,6923.15 8706.29,6912.31 8710.48,6901.17 8713.93,6889.79 8716.64,6878.2 8718.57,6866.45 8719.74,6854.61 8720.11,6843.43 8720.06,6842.93 8720.04,6842.72 8720.06,6842.93 8718.89,6842.95 8718.79,6842.72 8720.04,6842.72 8720.04,6842.68 8720.04,6842.65 8720.04,5807.18 4419.29,5807.18 4411.56,5806.8 4403.91,5805.67 4396.41,5803.79 4389.12,5801.18 4382.13,5797.87 4375.49,5793.9 4369.28,5789.29 4363.55,5784.09 4358.35,5778.36 4353.74,5772.14 4349.76,5765.51 4346.46,5758.52 4343.85,5751.23 4341.97,5743.73 4340.84,5736.07 4340.46,5728.35 4340.46,4901.57 4340.84,4893.85 4341.97,4886.19 4343.85,4878.69 4346.46,4871.41 4349.76,4864.41 4353.74,4857.78 4358.35,4851.56 4363.55,4845.83 4369.28,4840.63 4375.49,4836.03 4382.13,4832.05 4389.12,4828.74 4396.41,4826.13 4403.91,4824.25 4411.56,4823.12 4419.29,4822.74 7098.33,4822.74 7098.33,3038.9 3420.12,3038.9 3419.4,3038.83 3408.22,3039.2 3396.38,3040.36 3384.64,3042.3 3373.05,3045 3361.66,3048.46 3350.52,3052.65 3339.68,3057.56 3329.19,3063.17 3319.08,3069.46 3309.41,3076.39 3300.21,3083.94 3291.52,3092.07 3283.39,3100.76 3275.84,3109.96 3268.9,3119.63 3262.62,3129.74 3257.01,3140.23 3252.1,3151.07 3247.91,3162.21 3244.45,3173.6 3241.75,3185.19 3239.81,3196.93 3238.64,3208.77 3238.28,3219.95 3238.35,3220.67 3238.35,3220.7 3238.35,6838.83 3237.96,6842.75 3236.82,6846.52 3236.55,6847.03 3236.79,6854.61 3237.96,6866.45 3239.9,6878.2 3242.6,6889.79 3246.06,6901.17 3250.25,6912.31 3255.16,6923.15 3260.77,6933.65 3267.05,6943.75 3273.99,6953.43 3281.54,6962.63 3289.67,6971.31 3298.36,6979.45 3307.56,6987 3317.23,6993.93 3327.34,7000.21 3337.83,7005.82 3348.67,7010.74 3359.81,7014.93 3371.2,7018.38 3382.79,7021.09 3394.53,7023.02 3406.37,7024.19 3417.55,7024.56 3418.27,7024.49 8538.27,7024.49 8538.99,7024.56
0V on Int1 (GND) (split plane): 8720.04,3220.77 8718.83,3220.77 8718.79,3220.67 8720.04,3220.67 8720.04,3220.64 8720.11,3219.93 8719.74,3208.77 8718.57,3196.93 8716.64,3185.19 8713.93,3173.6 8710.48,3162.21 8706.29,3151.07 8701.38,3140.23 8695.77,3129.74 8689.48,3119.63 8682.55,3109.96 8675,3100.76 8666.86,3092.07 8658.18,3083.94 8648.98,3076.39 8639.31,3069.46 8629.2,3063.17 8618.7,3057.56 8607.86,3052.65 8596.73,3048.46 8585.34,3045 8573.75,3042.3 8562.01,3040.36 8550.16,3039.2 8538.99,3038.83 8538.27,3038.9 7256,3038.9 7256,4822.74 8720.04,4822.74
"0V (ISO)" on Int1 (GND) (split plane): 8720.04,4980.41 4498.13,4980.41 4498.13,5649.51 8720.04,5649.51
5V on Int2 (PWR) (split plane): 8550.16,7024.19 8562.01,7023.02 8573.75,7021.09 8585.34,7018.38 8596.73,7014.93 8607.86,7010.74 8618.7,7005.82 8629.2,7000.21 8639.31,6993.93 8648.98,6987 8658.18,6979.45 8666.86,6971.31 8675,6962.63 8682.55,6953.43 8689.48,6943.75 8695.77,6933.65 8701.38,6923.15 8706.29,6912.31 8710.48,6901.17 8713.93,6889.79 8716.64,6878.2 8718.57,6866.45 8719.74,6854.61 8720.11,6843.43 8720.06,6842.93 8720.04,6842.72 8720.06,6842.93 8718.89,6842.95 8718.79,6842.72 8720.04,6842.72 8720.04,6842.68 8720.04,6842.65 8720.04,5807.18 4419.29,5807.18 4411.56,5806.8 4403.91,5805.67 4396.41,5803.79 4389.12,5801.18 4382.13,5797.87 4375.49,5793.9 4369.28,5789.29 4363.55,5784.09 4358.35,5778.36 4353.74,5772.14 4349.76,5765.51 4346.46,5758.52 4343.85,5751.23 4341.97,5743.73 4340.84,5736.07 4340.46,5728.35 4340.46,4901.57 4340.84,4893.85 4341.97,4886.19 4343.85,4878.69 4346.46,4871.41 4349.76,4864.41 4353.74,4857.78 4358.35,4851.56 4363.55,4845.83 4369.28,4840.63 4375.49,4836.03 4382.13,4832.05 4389.12,4828.74 4396.41,4826.13 4403.91,4824.25 4411.56,4823.12 4419.29,4822.74 7098.33,4822.74 7098.33,3038.9 3420.12,3038.9 3419.4,3038.83 3408.22,3039.2 3396.38,3040.36 3384.64,3042.3 3373.05,3045 3361.66,3048.46 3350.52,3052.65 3339.68,3057.56 3329.19,3063.17 3319.08,3069.46 3309.41,3076.39 3300.21,3083.94 3291.52,3092.07 3283.39,3100.76 3275.84,3109.96 3268.9,3119.63 3262.62,3129.74 3257.01,3140.23 3252.1,3151.07 3247.91,3162.21 3244.45,3173.6 3241.75,3185.19 3239.81,3196.93 3238.64,3208.77 3238.28,3219.95 3238.35,3220.67 3238.35,3220.7 3238.35,6838.83 3237.96,6842.75 3236.82,6846.52 3236.55,6847.03 3236.79,6854.61 3237.96,6866.45 3239.9,6878.2 3242.6,6889.79 3246.06,6901.17 3250.25,6912.31 3255.16,6923.15 3260.77,6933.65 3267.05,6943.75 3273.99,6953.43 3281.54,6962.63 3289.67,6971.31 3298.36,6979.45 3307.56,6987 3317.23,6993.93 3327.34,7000.21 3337.83,7005.82 3348.67,7010.74 3359.81,7014.93 3371.2,7018.38 3382.79,7021.09 3394.53,7023.02 3406.37,7024.19 3417.55,7024.56 3418.27,7024.49 8538.27,7024.49 8538.99,7024.56
5V on Int2 (PWR) (split plane): 8720.04,3220.77 8718.83,3220.77 8718.79,3220.67 8720.04,3220.67 8720.04,3220.64 8720.11,3219.93 8719.74,3208.77 8718.57,3196.93 8716.64,3185.19 8713.93,3173.6 8710.48,3162.21 8706.29,3151.07 8701.38,3140.23 8695.77,3129.74 8689.48,3119.63 8682.55,3109.96 8675,3100.76 8666.86,3092.07 8658.18,3083.94 8648.98,3076.39 8639.31,3069.46 8629.2,3063.17 8618.7,3057.56 8607.86,3052.65 8596.73,3048.46 8585.34,3045 8573.75,3042.3 8562.01,3040.36 8550.16,3039.2 8538.99,3038.83 8538.27,3038.9 7256,3038.9 7256,4822.74 8720.04,4822.74
5V on Int2 (PWR) (split plane): 8720.04,4980.41 4498.13,4980.41 4498.13,5649.51 8720.04,5649.51

## Keep-outs
Keep-Out Layer:
  lines w10: 3221.42,6842.72 cw(c3418.27,6842.72) 3418.27,7039.57 8538.27,7039.57 ; 3223.27,6842.72 3223.27,3220.67 ccw(c3420.12,3220.67) 3420.12,3023.82 8538.27,3023.82 ; 8587.48,3023.82 ccw(c8587.48,3220.67) 8784.33,3220.67 ; 8587.48,7039.57 cw(c8587.48,6842.72) 8784.33,6842.72 ; 8735.12,3220.67 8735.12,6842.72

## Other copper
Int1 (GND) (plane layer: these items are gaps in the copper):
  lines w157.48: 7177.17,3031.5 7177.17,4901.57 ; 8740.16,4901.57 4419.29,4901.57 4419.29,5728.35 8740.16,5728.35
Int2 (PWR) (plane layer: these items are gaps in the copper):
  lines w157.48: 7177.17,3021.65 7177.16,4901.57 ; 8740.16,4901.57 4419.29,4901.57 4419.29,5728.35 8740.16,5728.35

## Dimensions
3418.27,7039.57 to 3420.12,3023.82 on Drill Drawing
3221.42,6842.72 to 8735.12,6842.72 on Drill Drawing